# KiCad board panel_r0.1.kicad_pcb (continued)
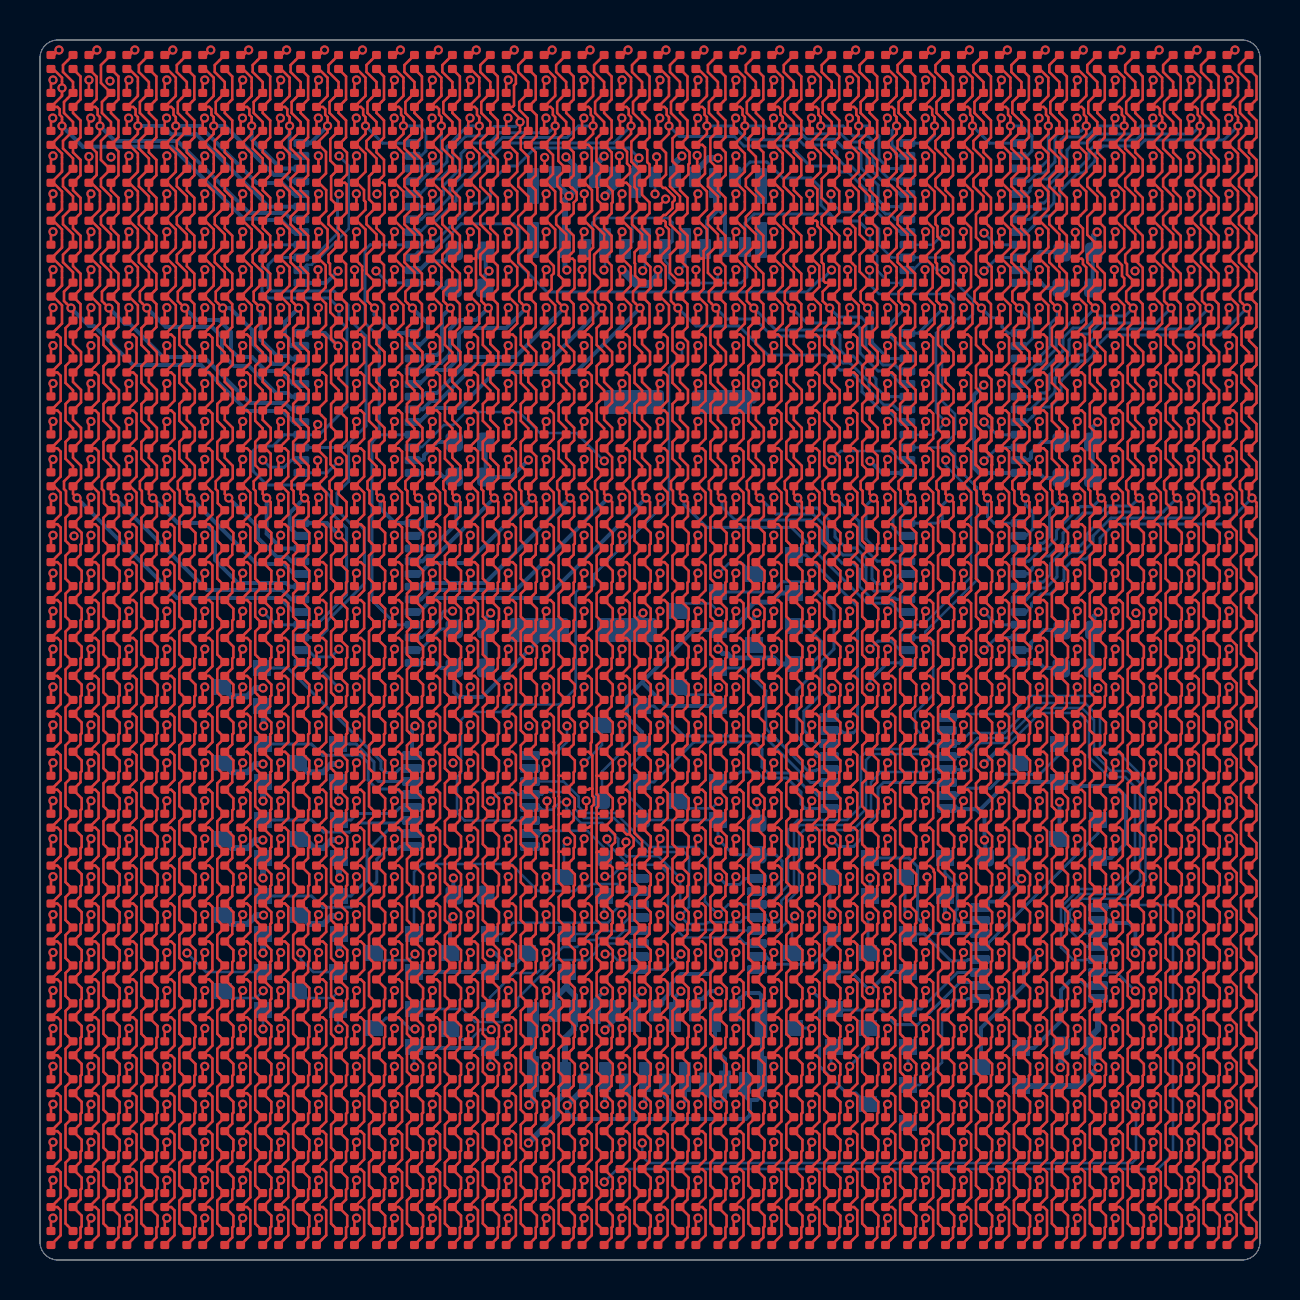
[diagram p0: board, top side]
## Routing (per net, layer and track width the routed paths; a pad name or vN(x,y) marks a point on that pad's centre or on a via; arc(x,y) is an arc through that point) (continued)
COL_BA0: length 90.8
  Top w0.127: D993.4 1.03,1.23 1.03,2.49 0.87,2.65 D961.4 1.03,3.13 1.03,4.38 0.87,4.54 D929.4 1.03,5.03 1.03,6.28 0.87,6.44 D897.4 1.03,6.93 1.03,8.18 0.87,8.34 D865.4 1.03,8.82 1.03,10.07 0.87,10.24 D833.4 1.03,10.72 1.03,11.97 0.87,12.13 D801.4 1.03,12.62 1.03,13.87 0.87,14.03 D769.4 1.03,14.51 1.03,15.76 0.87,15.93 D737.4 1.03,16.41 1.03,17.66 0.87,17.82 D705.4 1.03,18.31 1.03,19.56 0.87,19.72 D673.4 1.03,20.2 1.03,21.45 0.87,21.62 D641.4 1.03,22.1 1.03,23.35 0.87,23.51 D609.4 1.03,24 1.03,25.25 0.87,25.41 D577.4 1.03,25.89 1.03,27.14 0.87,27.31 D545.4 1.03,27.79 1.03,29.04 0.87,29.2 D513.4 1.03,29.69 1.03,30.94 0.87,31.1 D481.4 1.03,31.58 1.03,32.83 0.87,33 D449.4 1.03,33.48 1.03,34.73 0.87,34.89 D417.4 1.03,35.38 1.03,36.63 0.87,36.79 D385.4 1.03,37.27 1.03,38.37 0.71,38.69 D353.4 1.03,39.17 1.03,40.42 0.87,40.58 D321.4 1.03,41.07 1.03,42.32 0.87,42.48 D289.4 1.03,42.96 1.03,44.21 0.87,44.38 D257.4 1.03,44.86 1.03,46.11 0.87,46.27 D225.4 1.1,46.83 1.1,47.74 0.66,48.17 D193.4 1.1,48.72 1.1,49.63 0.66,50.07 D161.4 1.1,50.62 1.1,51.53 0.66,51.96 D129.4 1.1,52.52 1.1,53.43 0.66,53.86 D97.4 1.1,54.41 1.1,55.32 0.66,55.76 D65.4 1.1,56.31 v1(1.1,56.7) 1.1,57.14 0.98,57.26 0.98,57.54 0.87,57.65 D33.4 1.1,58.21 v1(1.1,58.6) 1.1,59.12 0.66,59.55 D1.4
  Bottom w0.2: v1(1.1,56.7) 2.14,55.66 6.59,55.66 10.19,52.06 10.94,52.06 11,52 12.06,52 12.67,51.4 U9.5
COL_BA1: length 88.1
  Top w0.127: D194.4 3,48.72 3,49.63 2.56,50.07 D162.4 3,50.62 3,51.53 2.56,51.96 D130.4 3,52.52 3,53.43 2.56,53.86 D98.4 2.83,54.25 2.83,55.37 D66.4 3,56.31 v1(3,56.7) 3,57.14 2.88,57.26 2.88,57.54 2.77,57.65 D34.4 2.83,58.04 2.83,59.17 D2.4 ; 2.56,48.17 3,47.74 3,46.83 D226.4 2.77,46.27 2.93,46.11 2.93,44.86 D258.4 2.77,44.38 2.93,44.21 2.93,42.96 D290.4 2.77,42.48 2.93,42.32 2.93,41.07 D322.4 2.77,40.58 2.93,40.42 2.93,39.17 D354.4 2.61,38.69 2.93,38.37 2.93,37.27 D386.4 2.77,36.79 2.93,36.63 2.93,35.38 D418.4 2.77,34.89 2.93,34.73 2.93,33.48 D450.4 2.77,33 2.93,32.83 2.93,31.58 D482.4 2.77,31.1 2.93,30.94 2.93,29.69 D514.4 2.77,29.2 2.93,29.04 2.93,27.79 D546.4 2.77,27.31 2.93,27.14 2.93,25.89 D578.4 2.77,25.41 2.93,25.25 2.93,24 D610.4 2.77,23.51 2.93,23.35 2.93,22.1 D642.4 2.77,21.62 2.93,21.45 2.93,20.2 D674.4 2.77,19.72 2.93,19.56 2.93,18.31 D706.4 2.77,17.82 2.93,17.66 2.93,16.41 D738.4 2.77,15.93 2.93,15.76 2.93,14.51 D770.4 2.77,14.03 2.93,13.87 2.93,12.62 D802.4 2.77,12.13 2.93,11.97 2.93,10.72 D834.4 2.77,10.24 2.93,10.07 2.93,8.82 D866.4 2.77,8.34 2.93,8.18 2.93,6.93 D898.4 2.77,6.44 2.93,6.28 2.93,5.03 D930.4 2.77,4.54 2.93,4.38 2.93,3.13 D962.4 2.77,2.65 2.93,2.49 2.93,1.23 D994.4
  Bottom w0.2: U9.6 12.57,52.03 12.25,52.35 10.47,52.35 6.87,55.95 3.75,55.95 v1(3,56.7)
COL_BA2: length 86.4
  Top w0.127: D3.4 4.46,59.55 4.89,59.12 4.89,58.21 D35.4 4.66,57.65 4.78,57.54 4.78,57.26 4.89,57.14 v1(4.89,56.7) 4.89,56.31 D67.4 4.46,55.76 4.89,55.32 4.89,54.41 D99.4 4.46,53.86 4.89,53.43 4.89,52.52 D131.4 4.46,51.96 4.89,51.53 4.89,50.62 D163.4 4.46,50.07 4.89,49.63 4.89,48.72 D195.4 ; 4.46,48.17 4.89,47.74 4.89,46.83 D227.4 4.66,46.27 4.83,46.11 4.83,44.86 D259.4 4.66,44.38 4.83,44.21 4.83,42.96 D291.4 4.66,42.48 4.83,42.32 4.83,41.07 D323.4 4.66,40.58 4.83,40.42 4.83,39.17 D355.4 4.51,38.69 4.83,38.37 4.83,37.27 D387.4 4.66,36.79 4.83,36.63 4.83,35.38 D419.4 4.66,34.89 4.83,34.73 4.83,33.48 D451.4 4.66,33 4.83,32.83 4.83,31.58 D483.4 4.66,31.1 4.83,30.94 4.83,29.69 D515.4 4.66,29.2 4.83,29.04 4.83,27.79 D547.4 4.66,27.31 4.83,27.14 4.83,25.89 D579.4 4.66,25.41 4.83,25.25 4.83,24 D611.4 4.66,23.51 4.83,23.35 4.83,22.1 D643.4 4.66,21.62 4.83,21.45 4.83,20.2 D675.4 4.66,19.72 4.83,19.56 4.83,18.31 D707.4 4.66,17.82 4.83,17.66 4.83,16.41 D739.4 4.66,15.93 4.83,15.76 4.83,14.51 D771.4 4.66,14.03 4.83,13.87 4.83,12.62 D803.4 4.66,12.13 4.83,11.97 4.83,10.72 D835.4 4.66,10.24 4.83,10.07 4.83,8.82 D867.4 4.66,8.34 4.83,8.18 4.83,6.93 D899.4 4.66,6.44 4.83,6.28 4.83,5.03 D931.4 4.66,4.54 4.83,4.38 4.83,3.13 D963.4 4.66,2.65 4.83,2.49 4.83,1.23 D995.4
  Bottom w0.2: U9.7 11.43,52.67 7.82,56.28 6.57,56.28 6.15,56.7 v1(4.89,56.7)
COL_BA3: length 84.2
  Top w0.127: D4.4 6.36,59.55 6.79,59.12 6.79,58.21 D36.4 6.56,57.65 6.67,57.54 6.67,57.26 6.79,57.14 v1(6.79,56.7) 6.79,56.31 D68.4 6.36,55.76 6.79,55.32 6.79,54.41 D100.4 6.36,53.86 6.79,53.43 6.79,52.52 D132.4 6.36,51.96 6.79,51.53 6.79,50.62 D164.4 6.36,50.07 6.79,49.63 6.79,48.72 D196.4 ; 6.36,48.17 6.79,47.74 6.79,46.83 D228.4 6.56,46.27 6.72,46.11 6.72,44.86 D260.4 6.56,44.38 6.72,44.21 6.72,42.96 D292.4 6.56,42.48 6.72,42.32 6.72,41.07 D324.4 6.56,40.58 6.72,40.42 6.72,39.17 D356.4 6.4,38.69 6.72,38.37 6.72,37.27 D388.4 6.56,36.79 6.72,36.63 6.72,35.38 D420.4 6.56,34.89 6.72,34.73 6.72,33.48 D452.4 6.56,33 6.72,32.83 6.72,31.58 D484.4 6.56,31.1 6.72,30.94 6.72,29.69 D516.4 6.56,29.2 6.72,29.04 6.72,27.79 D548.4 6.56,27.31 6.72,27.14 6.72,25.89 D580.4 6.56,25.41 6.72,25.25 6.72,24 D612.4 6.56,23.51 6.72,23.35 6.72,22.1 D644.4 6.56,21.62 6.72,21.45 6.72,20.2 D676.4 6.56,19.72 6.72,19.56 6.72,18.31 D708.4 6.56,17.82 6.72,17.66 6.72,16.41 D740.4 6.56,15.93 6.72,15.76 6.72,14.51 D772.4 6.56,14.03 6.72,13.87 6.72,12.62 D804.4 6.56,12.13 6.72,11.97 6.72,10.72 D836.4 6.56,10.24 6.72,10.07 6.72,8.82 D868.4 6.56,8.34 6.72,8.18 6.72,6.93 D900.4 6.56,6.44 6.72,6.28 6.72,5.03 D932.4 6.56,4.54 6.72,4.38 6.72,3.13 D964.4 6.56,2.65 6.72,2.49 6.72,1.23 D996.4
  Bottom w0.2: v1(6.79,56.7) 7.98,56.7 10.84,53.85 12.11,53.85 12.66,53.3 U9.8
COL_BA4: length 82
  Top w0.127: D5.4 8.25,59.55 8.69,59.12 8.69,58.21 D37.4 8.46,57.65 8.57,57.54 8.57,57.26 8.69,57.14 v1(8.69,56.7) 8.69,56.31 D69.4 8.25,55.76 8.69,55.32 8.69,54.41 D101.4 8.25,53.86 8.69,53.43 8.69,52.52 D133.4 8.25,51.96 8.69,51.53 8.69,50.62 D165.4 8.25,50.07 8.69,49.63 8.69,48.72 D197.4 ; 8.25,48.17 8.69,47.74 8.69,46.83 D229.4 8.46,46.27 8.62,46.11 8.62,44.86 D261.4 8.46,44.38 8.62,44.21 8.62,42.96 D293.4 8.46,42.48 8.62,42.32 8.62,41.07 D325.4 8.46,40.58 8.62,40.42 8.62,39.17 D357.4 8.3,38.69 8.62,38.37 8.62,37.27 D389.4 8.46,36.79 8.62,36.63 8.62,35.38 D421.4 8.46,34.89 8.62,34.73 8.62,33.48 D453.4 8.46,33 8.62,32.83 8.62,31.58 D485.4 8.46,31.1 8.62,30.94 8.62,29.69 D517.4 8.46,29.2 8.62,29.04 8.62,27.79 D549.4 8.46,27.31 8.62,27.14 8.62,25.89 D581.4 8.46,25.41 8.62,25.25 8.62,24 D613.4 8.46,23.51 8.62,23.35 8.62,22.1 D645.4 8.46,21.62 8.62,21.45 8.62,20.2 D677.4 8.46,19.72 8.62,19.56 8.62,18.31 D709.4 8.46,17.82 8.62,17.66 8.62,16.41 D741.4 8.46,15.93 8.62,15.76 8.62,14.51 D773.4 8.46,14.03 8.62,13.87 8.62,12.62 D805.4 8.46,12.13 8.62,11.97 8.62,10.72 D837.4 8.46,10.24 8.62,10.07 8.62,8.82 D869.4 8.46,8.34 8.62,8.18 8.62,6.93 D901.4 8.46,6.44 8.62,6.28 8.62,5.03 D933.4 8.46,4.54 8.62,4.38 8.62,3.13 D965.4 8.46,2.65 8.62,2.49 8.62,1.23 D997.4
  Bottom w0.2: v1(8.69,56.7) 9.26,56.7 11.71,54.25 12.26,54.25 12.57,53.94 U9.9
COL_BA5: length 80.3
  Top w0.127: D6.4 10.15,59.55 10.58,59.12 10.58,58.21 D38.4 10.35,57.65 10.47,57.54 10.47,57.26 10.58,57.14 v1(10.58,56.7) 10.58,56.31 D70.4 10.15,55.76 10.58,55.32 10.58,54.41 D102.4 10.15,53.86 10.58,53.43 10.58,52.52 D134.4 10.15,51.96 10.58,51.53 10.58,50.62 D166.4 10.15,50.07 10.58,49.63 10.58,48.72 D198.4 ; 10.15,48.17 10.58,47.74 10.58,46.83 D230.4 10.35,46.27 10.52,46.11 10.52,44.86 D262.4 10.35,44.38 10.52,44.21 10.52,42.96 D294.4 10.35,42.48 10.52,42.32 10.52,41.07 D326.4 10.35,40.58 10.52,40.42 10.52,39.17 D358.4 10.2,38.69 10.52,38.37 10.52,37.27 D390.4 10.35,36.79 10.52,36.63 10.52,35.38 D422.4 10.35,34.89 10.52,34.73 10.52,33.48 D454.4 10.35,33 10.52,32.83 10.52,31.58 D486.4 10.35,31.1 10.52,30.94 10.52,29.69 D518.4 10.35,29.2 10.52,29.04 10.52,27.79 D550.4 10.35,27.31 10.52,27.14 10.52,25.89 D582.4 10.35,25.41 10.52,25.25 10.52,24 D614.4 10.35,23.51 10.52,23.35 10.52,22.1 D646.4 10.35,21.62 10.52,21.45 10.52,20.2 D678.4 10.35,19.72 10.52,19.56 10.52,18.31 D710.4 10.35,17.82 10.52,17.66 10.52,16.41 D742.4 10.35,15.93 10.52,15.76 10.52,14.51 D774.4 10.35,14.03 10.52,13.87 10.52,12.62 D806.4 10.35,12.13 10.52,11.97 10.52,10.72 D838.4 10.35,10.24 10.52,10.07 10.52,8.82 D870.4 10.35,8.34 10.52,8.18 10.52,6.93 D902.4 10.35,6.44 10.52,6.28 10.52,5.03 D934.4 10.35,4.54 10.52,4.38 10.52,3.13 D966.4 10.35,2.65 10.52,2.49 10.52,1.23 D998.4
  Bottom w0.2: v1(10.58,56.7) 10.58,56.03 12.04,54.57 U9.10
COL_BA6: length 78.6
  Top w0.127: D7.4 12.05,59.55 12.48,59.12 12.48,58.21 D39.4 12.25,57.65 12.36,57.54 12.36,57.26 12.48,57.14 v1(12.48,56.7) 12.48,56.31 D71.4 12.05,55.76 12.48,55.32 12.48,54.41 D103.4 12.05,53.86 12.48,53.43 12.48,52.52 D135.4 12.05,51.96 12.48,51.53 12.48,50.62 D167.4 12.05,50.07 12.48,49.63 12.48,48.72 D199.4 ; 12.05,48.17 12.48,47.74 12.48,46.83 D231.4 12.25,46.27 12.41,46.11 12.41,44.86 D263.4 12.25,44.38 12.41,44.21 12.41,42.96 D295.4 12.25,42.48 12.41,42.32 12.41,41.07 D327.4 12.25,40.58 12.41,40.42 12.41,39.17 D359.4 12.09,38.69 12.41,38.37 12.41,37.27 D391.4 12.25,36.79 12.41,36.63 12.41,35.38 D423.4 12.25,34.89 12.41,34.73 12.41,33.48 D455.4 12.25,33 12.41,32.83 12.41,31.58 D487.4 12.25,31.1 12.41,30.94 12.41,29.69 D519.4 12.25,29.2 12.41,29.04 12.41,27.79 D551.4 12.25,27.31 12.41,27.14 12.41,25.89 D583.4 12.25,25.41 12.41,25.25 12.41,24 D615.4 12.25,23.51 12.41,23.35 12.41,22.1 D647.4 12.25,21.62 12.41,21.45 12.41,20.2 D679.4 12.25,19.72 12.41,19.56 12.41,18.31 D711.4 12.25,17.82 12.41,17.66 12.41,16.41 D743.4 12.25,15.93 12.41,15.76 12.41,14.51 D775.4 12.25,14.03 12.41,13.87 12.41,12.62 D807.4 12.25,12.13 12.41,11.97 12.41,10.72 D839.4 12.25,10.24 12.41,10.07 12.41,8.82 D871.4 12.25,8.34 12.41,8.18 12.41,6.93 D903.4 12.25,6.44 12.41,6.28 12.41,5.03 D935.4 12.25,4.54 12.41,4.38 12.41,3.13 D967.4 12.25,2.65 12.41,2.49 12.41,1.23 D999.4
  Bottom w0.2: U9.11 12.57,55.21 12.48,55.3 v1(12.48,56.7)
COL_BA7: length 76.9
  Top w0.127: D8.4 13.94,59.55 14.38,59.12 14.38,58.21 D40.4 14.15,57.65 14.26,57.54 14.26,57.26 14.38,57.14 v1(14.38,56.7) 14.38,56.38 13.94,55.94 13.94,55.76 14.3,55.4 14.3,54.33 13.94,53.98 13.94,53.86 14.31,53.49 14.31,52.45 13.94,52.08 13.94,51.96 14.38,51.53 14.38,50.62 13.94,50.18 13.94,50.07 14.28,49.73 14.28,48.63 D200.4 ; D1000.4 14.31,1.23 14.31,2.49 14.15,2.65 D968.4 14.31,3.13 14.31,4.38 14.15,4.54 D936.4 14.31,5.03 14.31,6.28 14.15,6.44 D904.4 14.31,6.93 14.31,8.18 14.15,8.34 D872.4 14.31,8.82 14.31,10.07 14.15,10.24 D840.4 14.31,10.72 14.31,11.97 14.15,12.13 D808.4 14.31,12.62 14.31,13.87 14.15,14.03 D776.4 14.31,14.51 14.31,15.76 14.15,15.93 D744.4 14.31,16.41 14.31,17.66 14.15,17.82 D712.4 14.31,18.31 14.31,19.56 14.15,19.72 D680.4 14.31,20.2 14.31,21.45 14.15,21.62 D648.4 14.31,22.1 14.31,23.35 14.15,23.51 D616.4 14.31,24 14.31,25.25 14.15,25.41 D584.4 14.31,25.89 14.31,27.14 14.15,27.31 D552.4 14.31,27.79 14.31,29.04 14.15,29.2 D520.4 14.31,29.69 14.31,30.94 14.15,31.1 D488.4 14.31,31.58 14.31,32.83 14.15,33 D456.4 14.31,33.48 14.31,34.73 14.15,34.89 D424.4 14.31,35.38 14.31,36.63 14.15,36.79 D392.4 14.31,37.27 14.31,38.37 13.99,38.69 D360.4 14.31,39.17 14.31,40.1 D328.4 14.27,41.02 14.27,42.04 D296.4 14.31,42.96 14.31,44.21 14.15,44.38 D264.4 14.31,44.86 14.31,46.11 14.15,46.27 D232.4 14.3,46.75 14.3,47.81 13.94,48.17
  Bottom w0.2: U9.12 13.52,55.84 v1(14.38,56.7)
COL_BA8: length 79
  Top w0.127: D9.4 15.84,59.55 16.27,59.12 16.27,58.21 D41.4 16.04,57.65 16.16,57.54 16.16,57.26 16.27,57.14 v1(16.27,56.7) 16.27,56.31 D73.4 15.84,55.76 16.27,55.32 16.27,54.41 D105.4 15.84,53.86 16.2,53.5 16.2,52.98 16.27,52.91 16.27,52.52 D137.4 15.84,51.96 16.27,51.53 16.27,50.62 D169.4 16.11,49.68 16.11,48.56 D201.4 ; 15.84,48.17 16.27,47.74 16.27,46.83 D233.4 16.04,46.27 16.21,46.11 16.21,44.86 D265.4 16.04,44.38 16.21,44.21 16.21,42.96 D297.4 16.04,42.48 16.21,42.32 16.21,41.07 D329.4 16.04,40.58 16.21,40.42 16.21,39.17 D361.4 15.89,38.69 16.21,38.37 16.21,37.27 D393.4 16.04,36.79 16.21,36.63 16.21,35.38 D425.4 16.04,34.89 16.21,34.73 16.21,33.48 D457.4 16.04,33 16.21,32.83 16.21,31.58 D489.4 16.04,31.1 16.21,30.94 16.21,29.69 D521.4 16.04,29.2 16.21,29.04 16.21,27.79 D553.4 16.04,27.31 16.21,27.14 16.21,25.89 D585.4 16.04,25.41 16.21,25.25 16.21,24 D617.4 16.04,23.51 16.21,23.35 16.21,22.1 D649.4 16.04,21.62 16.21,21.45 16.21,20.2 D681.4 16.04,19.72 16.21,19.56 16.21,18.31 D713.4 16.04,17.82 16.21,17.66 16.21,16.41 D745.4 16.04,15.93 16.21,15.76 16.21,14.51 D777.4 16.04,14.03 16.21,13.87 16.21,12.62 D809.4 16.04,12.13 16.21,11.97 16.21,10.72 D841.4 16.04,10.24 16.21,10.07 16.21,8.82 D873.4 16.04,8.34 16.21,8.18 16.21,6.93 D905.4 16.04,6.44 16.21,6.28 16.21,5.03 D937.4 16.04,4.54 16.21,4.38 16.21,3.13 D969.4 16.04,2.65 16.21,2.49 16.21,1.23 D1001.4
  Bottom w0.15: v1(16.27,56.7) 17.13,55.84 U9.13
COL_BA9: length 79.5
  Top w0.127: D10.4 17.74,59.55 18.17,59.12 18.17,58.21 D42.4 17.94,57.65 18.06,57.54 18.06,57.26 18.17,57.14 v1(18.17,56.7) 18.17,56.31 D74.4 17.74,55.76 18.17,55.32 18.17,54.41 D106.4 17.74,53.86 18.17,53.43 18.17,52.52 D138.4 17.74,51.96 18.17,51.53 18.17,50.62 D170.4 17.74,50.07 18.17,49.63 18.17,48.72 D202.4 ; 17.74,48.17 18.17,47.74 18.17,46.83 D234.4 17.94,46.27 18.1,46.11 18.1,44.86 D266.4 17.94,44.38 18.1,44.21 18.1,42.96 D298.4 17.94,42.48 18.1,42.32 18.1,41.07 D330.4 17.94,40.58 18.1,40.42 18.1,39.17 D362.4 17.78,38.69 18.1,38.37 18.1,37.27 D394.4 17.94,36.79 18.1,36.63 18.1,35.38 D426.4 17.94,34.89 18.1,34.73 18.1,33.48 D458.4 17.94,33 18.1,32.83 18.1,31.58 D490.4 17.94,31.1 18.1,30.94 18.1,29.69 D522.4 17.94,29.2 18.1,29.04 18.1,27.79 D554.4 17.94,27.31 18.1,27.14 18.1,25.89 D586.4 17.94,25.41 18.1,25.25 18.1,24 D618.4 17.94,23.51 18.1,23.35 18.1,22.1 D650.4 17.94,21.62 18.1,21.45 18.1,20.2 D682.4 17.94,19.72 18.1,19.56 18.1,18.31 D714.4 17.94,17.82 18.1,17.66 18.1,16.41 D746.4 17.94,15.93 18.1,15.76 18.1,14.51 D778.4 17.94,14.03 18.1,13.87 18.1,12.62 D810.4 17.94,12.13 18.1,11.97 18.1,10.72 D842.4 17.94,10.24 18.1,10.07 18.1,8.82 D874.4 17.94,8.34 18.1,8.18 18.1,6.93 D906.4 17.94,6.44 18.1,6.28 18.1,5.03 D938.4 17.94,4.54 18.1,4.38 18.1,3.13 D970.4 17.94,2.65 18.1,2.49 18.1,1.23 D1002.4
  Bottom w0.15: v1(18.17,56.7) 19,56.7 19.3,56.4 19.3,55.45 19.06,55.21 U9.14
COL_BA10: length 79.8
  Top w0.127: D11.4 19.63,59.55 20.07,59.12 20.07,58.21 D43.4 19.84,57.65 19.95,57.54 19.95,57.26 20.07,57.14 v1(20.07,56.7) 20.07,56.31 D75.4 19.63,55.76 20.07,55.32 20.07,54.41 D107.4 19.63,53.86 20.07,53.43 20.07,52.52 D139.4 19.63,51.96 20.07,51.53 20.07,50.62 D171.4 19.63,50.07 20.07,49.63 20.07,48.72 D203.4 ; 19.63,48.17 20.07,47.74 20.07,46.83 D235.4 19.84,46.27 20,46.11 20,44.86 D267.4 19.84,44.38 20,44.21 20,42.96 D299.4 19.84,42.48 20,42.32 20,41.07 D331.4 19.84,40.58 20,40.42 20,39.17 D363.4 19.68,38.69 20,38.37 20,37.27 D395.4 19.84,36.79 20,36.63 20,35.38 D427.4 19.84,34.89 20,34.73 20,33.48 D459.4 19.84,33 20,32.83 20,31.58 D491.4 19.84,31.1 20,30.94 20,29.69 D523.4 19.84,29.2 20,29.04 20,27.79 D555.4 19.84,27.31 20,27.14 20,25.89 D587.4 19.84,25.41 20,25.25 20,24 D619.4 19.84,23.51 20,23.35 20,22.1 D651.4 19.84,21.62 20,21.45 20,20.2 D683.4 19.84,19.72 20,19.56 20,18.31 D715.4 19.84,17.82 20,17.66 20,16.41 D747.4 19.84,15.93 20,15.76 20,14.51 D779.4 19.84,14.03 20,13.87 20,12.62 D811.4 19.84,12.13 20,11.97 20,10.72 D843.4 19.84,10.24 20,10.07 20,8.82 D875.4 19.84,8.34 20,8.18 20,6.93 D907.4 19.84,6.44 20,6.28 20,5.03 D939.4 19.84,4.54 20,4.38 20,3.13 D971.4 19.84,2.65 20,2.49 20,1.23 D1003.4
  Bottom w0.15: U9.15 19.13,54.57 19.37,54.81 19.81,54.81 20.07,55.07 v1(20.07,56.7)
COL_BA11: length 81.3
  Top w0.127: D12.4 21.53,59.55 21.96,59.12 21.96,58.21 D44.4 21.73,57.65 21.85,57.54 21.85,57.26 21.96,57.14 v1(21.96,56.7) 21.96,56.31 D76.4 21.53,55.76 21.96,55.32 21.96,54.41 D108.4 21.53,53.86 21.96,53.43 21.96,52.52 D140.4 21.53,51.96 21.96,51.53 21.96,50.62 21.8,50.45 21.8,50.05 ; 21.53,48.17 21.96,47.74 21.96,46.83 D236.4 21.73,46.27 21.9,46.11 21.9,44.86 D268.4 21.73,44.38 21.9,44.21 21.9,42.96 D300.4 21.73,42.48 21.9,42.32 21.9,41.07 D332.4 21.73,40.58 21.9,40.42 21.9,39.17 D364.4 21.58,38.69 21.9,38.37 21.9,37.27 D396.4 21.73,36.79 21.9,36.63 21.9,35.38 D428.4 21.73,34.89 21.9,34.73 21.9,33.48 D460.4 21.73,33 21.9,32.83 21.9,31.58 D492.4 21.73,31.1 21.9,30.94 21.9,29.69 D524.4 21.73,29.2 21.9,29.04 21.9,27.79 D556.4 21.73,27.31 21.9,27.14 21.9,25.89 D588.4 21.73,25.41 21.9,25.25 21.9,24 D620.4 21.73,23.51 21.9,23.35 21.9,22.1 D652.4 21.73,21.62 21.9,21.45 21.9,20.2 D684.4 21.73,19.72 21.9,19.56 21.9,18.31 D716.4 21.73,17.82 21.9,17.66 21.9,16.41 D748.4 21.73,15.93 21.9,15.76 21.9,14.51 D780.4 21.73,14.03 21.9,13.87 21.9,12.62 D812.4 21.73,12.13 21.9,11.97 21.9,10.72 D844.4 21.73,10.24 21.9,10.07 21.9,8.82 D876.4 21.73,8.34 21.9,8.18 21.9,6.93 D908.4 21.73,6.44 21.9,6.28 21.9,5.03 D940.4 21.73,4.54 21.9,4.38 21.9,3.13 D972.4 21.73,2.65 21.9,2.49 21.9,1.23 D1004.4 ; D204.4 21.8,48.56 21.8,50.05 ; 21.8,50.05 21.75,50.05 21.73,50.07 D172.4
  Bottom w0.15: U9.16 19.02,53.94 19.53,54.45 19.9,54.45 20.35,54.9 20.35,55.67 21.38,56.7 v1(21.96,56.7)
COL_BA12: length 83.5
  Top w0.127: 23.43,48.17 23.86,47.74 23.86,46.83 D237.4 23.63,46.27 23.79,46.11 23.79,44.86 D269.4 23.63,44.38 23.79,44.21 23.79,42.96 D301.4 23.63,42.48 23.79,42.32 23.79,41.07 D333.4 23.63,40.58 23.79,40.42 23.79,39.17 D365.4 23.47,38.69 23.79,38.37 23.79,37.27 D397.4 23.63,36.79 23.79,36.63 23.79,35.38 D429.4 23.63,34.89 23.79,34.73 23.79,33.48 D461.4 23.63,33 23.79,32.83 23.79,31.58 D493.4 23.63,31.1 23.79,30.94 23.79,29.69 D525.4 23.63,29.2 23.79,29.04 23.79,27.79 D557.4 23.63,27.31 23.79,27.14 23.79,25.89 D589.4 23.63,25.41 23.79,25.25 23.79,24 D621.4 23.63,23.51 23.79,23.35 23.79,22.1 D653.4 23.63,21.62 23.79,21.45 23.79,20.2 D685.4 23.63,19.72 23.79,19.56 23.79,18.31 D717.4 23.63,17.82 23.79,17.66 23.79,16.41 D749.4 23.63,15.93 23.79,15.76 23.79,14.51 D781.4 23.63,14.03 23.79,13.87 23.79,12.62 D813.4 23.63,12.13 23.79,11.97 23.79,10.72 D845.4 23.63,10.24 23.79,10.07 23.79,8.82 D877.4 23.63,8.34 23.79,8.18 23.79,6.93 D909.4 23.63,6.44 23.79,6.28 23.79,5.03 D941.4 23.63,4.54 23.79,4.38 23.79,3.13 D973.4 23.63,2.65 23.79,2.49 23.79,1.23 D1005.4 ; D13.4 23.45,59.55 23.79,59.21 23.79,58.82 23.7,58.72 23.7,57.72 23.63,57.65 D45.4 23.41,57.65 24,57.06 v1(24,56.9) 24,56.45 23.43,55.87 23.43,55.76 23.86,55.32 23.86,54.41 23.43,53.98 23.43,53.86 23.86,53.43 23.86,52.52 23.43,52.08 23.43,51.96 23.86,51.53 23.86,50.62 23.43,50.18 23.43,50.07 23.86,49.63 23.86,48.72 D205.4
  Bottom w0.15: U9.17 19,53.3 19,53.3 19.34,53.64 19.34,53.84 19.55,54.05 20,54.05 20.65,54.7 20.65,55.55 21.3,56.2 22.25,56.2 22.72,56.67 23.77,56.67 v1(24,56.9)
COL_BA13: length 85.5
  Top w0.127: D14.4 25.32,59.55 25.76,59.12 25.76,58.21 D46.4 25.53,57.65 25.64,57.54 25.64,57.26 25.76,57.14 v1(25.76,56.7) 25.76,56.31 D78.4 25.21,55.69 25.65,55.25 25.65,54.3 D110.4 25.32,53.86 25.76,53.43 25.76,52.52 D142.4 25.32,51.96 25.76,51.53 25.76,50.62 D174.4 25.32,50.07 25.69,49.7 25.69,49.33 25.58,49.22 25.58,48.54 D206.4 ; 25.32,48.17 25.76,47.74 25.76,46.83 D238.4 25.53,46.27 25.69,46.11 25.69,44.86 D270.4 25.53,44.38 25.69,44.21 25.69,42.96 D302.4 25.53,42.48 25.69,42.32 25.69,41.07 D334.4 25.53,40.58 25.69,40.42 25.69,39.17 D366.4 25.37,38.69 25.69,38.37 25.69,37.27 D398.4 25.53,36.79 25.69,36.63 25.69,35.38 D430.4 25.53,34.89 25.69,34.73 25.69,33.48 D462.4 25.53,33 25.69,32.83 25.69,31.58 D494.4 25.53,31.1 25.69,30.94 25.69,29.69 D526.4 25.53,29.2 25.69,29.04 25.69,27.79 D558.4 25.53,27.31 25.69,27.14 25.69,25.89 25.7,25.88 25.7,25.26 25.69,25.25 ; D1006.4 25.69,1.23 25.69,2.49 25.53,2.65 D974.4 25.69,3.13 25.69,4.38 25.53,4.54 D942.4 25.69,5.03 25.69,6.28 25.53,6.44 D910.4 25.69,6.93 25.69,8.18 25.53,8.34 D878.4 25.69,8.82 25.69,10.07 25.53,10.24 D846.4 25.69,10.72 25.69,11.97 25.53,12.13 D814.4 25.69,12.62 25.69,13.87 25.53,14.03 D782.4 25.69,14.51 25.69,15.76 25.53,15.93 D750.4 25.69,16.41 25.69,17.66 25.53,17.82 D718.4 25.69,18.31 25.69,19.71 ; D590.4 25.53,25.41 25.69,25.25 ; 25.69,25.25 25.69,23.46 ; D654.4 25.53,21.62 25.57,21.66 25.69,21.66 ; 25.69,21.66 25.69,22.67 25.73,22.72 25.73,23.08 25.69,23.13 25.69,23.46 ; 25.69,21.66 25.69,19.71 ; 25.69,19.71 25.54,19.71 25.53,19.72 D686.4 ; 25.69,23.46 25.58,23.46 25.53,23.51 D622.4
  Bottom w0.15: U9.18 19.56,52.67 20.17,53.28 20.17,53.72 21.05,54.6 21.05,55.32 21.58,55.85 22.45,55.85 22.96,56.36 25.42,56.36 v1(25.76,56.7)
COL_BA14: length 87.4
  Top w0.127: D15.4 27.22,59.55 27.65,59.12 27.65,58.21 D47.4 27.43,57.65 27.54,57.54 27.54,57.26 27.65,57.14 v1(27.65,56.7) 27.65,56.31 D79.4 27.43,55.76 27.59,55.6 27.59,54.34 D111.4 27.23,53.86 27.6,53.49 27.6,52.46 27.54,52.41 ; 27.22,48.17 27.65,47.74 27.65,46.83 D239.4 27.43,46.27 27.59,46.11 27.59,44.86 D271.4 27.43,44.38 27.59,44.21 27.59,42.96 D303.4 27.43,42.48 27.59,42.32 27.59,41.07 D335.4 27.43,40.58 27.59,40.42 27.59,39.17 D367.4 27.27,38.69 27.59,38.37 27.59,37.27 D399.4 27.43,36.79 27.59,36.63 27.59,35.38 D431.4 27.43,34.89 27.59,34.73 27.59,33.48 D463.4 27.43,33 27.59,32.83 27.59,31.58 D495.4 27.43,31.1 27.59,30.94 27.59,29.69 D527.4 27.43,29.2 27.59,29.04 27.59,27.79 D559.4 27.43,27.31 27.59,27.14 27.59,25.89 27.54,25.85 27.54,25.29 ; 27.62,23.57 27.48,23.57 27.43,23.51 D623.4 ; 27.62,23.57 27.62,23.2 27.69,23.13 27.69,22.78 27.59,22.67 27.59,21.69 ; 27.62,23.57 27.62,25.22 27.43,25.41 D591.4 ; 27.61,52.47 27.54,52.41 ; 27.54,52.41 27.22,52.08 27.22,51.96 27.65,51.53 27.65,50.62 27.49,50.45 27.49,50.09 ; D687.4 27.43,19.72 27.43,19.71 27.59,19.71 ; 27.59,21.69 27.5,21.69 27.43,21.62 D655.4 ; 27.59,21.69 27.59,19.71 ; D1007.4 27.59,1.23 27.59,2.49 27.43,2.65 D975.4 27.59,3.13 27.59,4.38 27.43,4.54 D943.4 27.59,5.03 27.59,6.28 27.43,6.44 D911.4 27.59,6.93 27.59,8.18 27.43,8.34 D879.4 27.59,8.82 27.59,10.07 27.43,10.24 D847.4 27.59,10.72 27.59,11.97 27.43,12.13 D815.4 27.59,12.62 27.59,13.87 27.43,14.03 D783.4 27.59,14.51 27.59,15.76 27.43,15.93 D751.4 27.59,16.41 27.59,17.66 27.43,17.82 D719.4 27.59,18.31 27.59,19.71 ; 27.49,50.09 27.49,48.56 D207.4 ; 27.49,50.09 27.47,50.07 D175.4
  Bottom w0.15: U9.19 19.07,52.03 19.34,52.3 19.65,52.3 20.5,53.15 20.5,53.6 21.55,54.65 21.65,54.65 23.12,56.12 26.35,56.12 26.93,56.7 v1(27.65,56.7)
COL_BA15: length 89.7
  Top w0.127: D16.4 29.12,59.55 29.55,59.12 29.55,58.21 D48.4 29.32,57.65 29.44,57.54 29.44,57.26 29.55,57.14 v1(29.55,56.7) 29.55,56.31 D80.4 29.35,55.41 29.35,54.83 29.5,54.68 29.5,54.36 D112.4 29.32,53.86 29.5,53.68 29.5,52.46 29.12,52.08 29.12,51.96 29.55,51.53 29.55,50.62 29.12,50.18 29.12,50.07 29.54,49.65 29.54,48.71 D208.4 ; 29.12,48.17 29.55,47.74 29.55,46.83 D240.4 29.32,46.27 29.48,46.11 29.48,44.86 D272.4 29.32,44.38 29.48,44.21 29.48,42.96 D304.4 29.32,42.48 29.48,42.32 29.48,41.07 D336.4 29.32,40.58 29.48,40.42 29.48,39.17 D368.4 29.16,38.69 29.48,38.37 29.48,37.27 D400.4 29.32,36.79 29.48,36.63 29.48,35.38 D432.4 29.32,34.89 29.48,34.73 29.48,33.48 D464.4 29.32,33 29.48,32.83 29.48,31.58 D496.4 29.32,31.1 29.48,30.94 29.48,29.69 D528.4 29.32,29.2 29.48,29.04 29.48,27.79 D560.4 29.32,27.31 29.48,27.14 29.48,25.89 D592.4 29.32,25.41 29.48,25.25 29.48,24 D624.4 29.32,23.51 29.48,23.35 29.48,21.28 ; D1008.4 29.48,1.23 29.48,2.49 29.32,2.65 D976.4 29.48,3.13 29.48,4.38 29.32,4.54 D944.4 29.48,5.03 29.48,6.28 29.32,6.44 D912.4 29.48,6.93 29.48,8.18 29.32,8.34 D880.4 29.48,8.82 29.48,10.07 29.32,10.24 D848.4 29.48,10.72 29.48,11.97 29.32,12.13 D816.4 29.48,12.62 29.48,13.87 29.32,14.03 D784.4 29.48,14.51 29.48,15.76 29.32,15.93 D752.4 29.48,16.41 29.48,17.66 29.32,17.82 D720.4 29.48,18.31 29.48,19.88 ; 29.48,19.88 29.48,20.52 29.68,20.72 29.68,21.08 29.48,21.28 ; 29.48,19.88 29.48,19.88 29.32,19.72 D688.4 ; 29.48,21.28 29.33,21.28 D656.4
  Bottom w0.15: v1(29.55,56.7) 28.7,55.85 23.3,55.85 21.8,54.35 21.75,54.35 20.8,53.4 20.8,52.95 19.8,51.95 19.55,51.95 19.05,51.45 18.68,51.45 U9.20
COL_BA16: length 91
  Top w0.127: D17.4 31.01,59.55 31.45,59.12 31.45,58.21 D49.4 31.22,57.65 31.33,57.54 31.33,57.26 31.45,57.14 v1(31.45,56.7) 31.45,56.31 D81.4 31.3,55.35 31.3,54.26 D113.4 31.16,53.6 31.27,53.6 31.73,53.14 31.73,52.99 31.63,52.88 31.63,52.59 31.28,52.25 31.18,52.25 D145.4 31.22,51.96 31.28,51.9 31.28,51.69 31.45,51.53 31.45,50.62 D177.4 31.28,49.68 31.28,48.56 D209.4 ; 31.01,48.17 31.45,47.74 31.45,46.83 D241.4 31.22,46.27 31.38,46.11 31.38,44.86 D273.4 31.22,44.38 31.38,44.21 31.38,42.96 D305.4 31.22,42.48 31.38,42.32 31.38,41.07 D337.4 31.22,40.58 31.38,40.42 31.38,39.17 D369.4 31.06,38.69 31.38,38.37 31.38,37.27 D401.4 31.22,36.79 31.38,36.63 31.38,35.38 D433.4 31.22,34.89 31.38,34.73 31.38,33.48 D465.4 31.22,33 31.38,32.83 31.38,31.58 D497.4 31.22,31.1 31.38,30.94 31.38,29.69 D529.4 31.22,29.2 31.38,29.04 31.38,27.79 D561.4 31.22,27.31 31.38,27.14 31.38,25.89 D593.4 31.22,25.41 31.38,25.25 31.38,24 D625.4 31.22,23.51 31.38,23.35 31.38,22.1 D657.4 31.22,21.62 31.38,21.45 31.38,20.2 D689.4 31.22,19.72 31.38,19.56 31.38,18.31 D721.4 31.22,17.82 31.38,17.66 31.38,16.41 D753.4 31.22,15.93 31.38,15.76 31.38,14.51 D785.4 31.22,14.03 31.38,13.87 31.38,12.62 D817.4 31.22,12.13 31.38,11.97 31.38,10.72 D849.4 31.22,10.24 31.38,10.07 31.38,8.82 D881.4 31.22,8.34 31.38,8.18 31.38,6.93 D913.4 31.22,6.44 31.38,6.28 31.38,5.03 D945.4 31.22,4.54 31.38,4.38 31.38,3.13 D977.4 31.22,2.65 31.38,2.49 31.38,1.23 D1009.4
  Bottom w0.15: U10.5 43.32,51.45 42.92,51.45 42.31,52.06 42.18,52.06 41.3,52.95 41.3,53.5 40.4,54.4 40.05,54.4 39.75,54.7 38.51,54.7 37.51,55.7 35.2,55.7 34.72,56.18 31.98,56.18 v1(31.45,56.7)
COL_BA17: length 88.8
  Top w0.127: D18.4 32.91,59.55 33.35,59.12 33.35,58.21 D50.4 33.12,57.65 33.23,57.54 33.23,57.26 33.35,57.14 v1(33.35,56.7) 33.35,56.31 D82.4 33.12,55.76 33.25,55.62 33.25,54.32 D114.4 ; 32.91,48.17 33.35,47.74 33.35,46.83 D242.4 33.12,46.27 33.28,46.11 33.28,44.86 D274.4 33.12,44.38 33.28,44.21 33.28,42.96 D306.4 33.12,42.48 33.28,42.32 33.28,41.07 D338.4 33.12,40.58 33.28,40.42 33.28,39.17 D370.4 32.96,38.69 33.28,38.37 33.28,37.27 D402.4 33.12,36.79 33.28,36.63 33.28,35.38 D434.4 33.12,34.89 33.28,34.73 33.28,33.48 D466.4 33.12,33 33.28,32.83 33.28,31.58 D498.4 33.12,31.1 33.28,30.94 33.28,29.69 D530.4 33.12,29.2 33.28,29.04 33.28,27.79 D562.4 33.12,27.31 33.28,27.14 33.28,25.89 D594.4 33.12,25.41 33.28,25.25 33.28,24 D626.4 33.12,23.51 33.28,23.35 33.28,22.1 D658.4 33.12,21.62 33.28,21.45 33.28,20.2 D690.4 33.12,19.72 33.28,19.56 33.28,18.31 D722.4 33.12,17.82 33.28,17.66 33.28,16.41 D754.4 33.12,15.93 33.28,15.76 33.28,14.51 D786.4 33.12,14.03 33.28,13.87 33.28,12.62 D818.4 33.12,12.13 33.28,11.97 33.28,10.72 D850.4 33.12,10.24 33.28,10.07 33.28,8.82 D882.4 33.12,8.34 33.28,8.18 33.28,6.93 D914.4 33.12,6.44 33.28,6.28 33.28,5.03 D946.4 33.12,4.54 33.28,4.38 33.28,3.13 D978.4 33.12,2.65 33.28,2.49 33.28,1.23 D1010.4 ; 33.18,50.08 33.13,50.08 33.12,50.07 D178.4 ; 33.18,50.08 33.18,50.45 33.35,50.62 33.35,51.53 32.91,51.96 D146.4 33.35,52.52 33.35,53.43 32.91,53.86 ; 33.18,50.08 33.18,48.56 D210.4